# KiCad board LI_ION_charger_5Vout.kicad_pcb (continued)
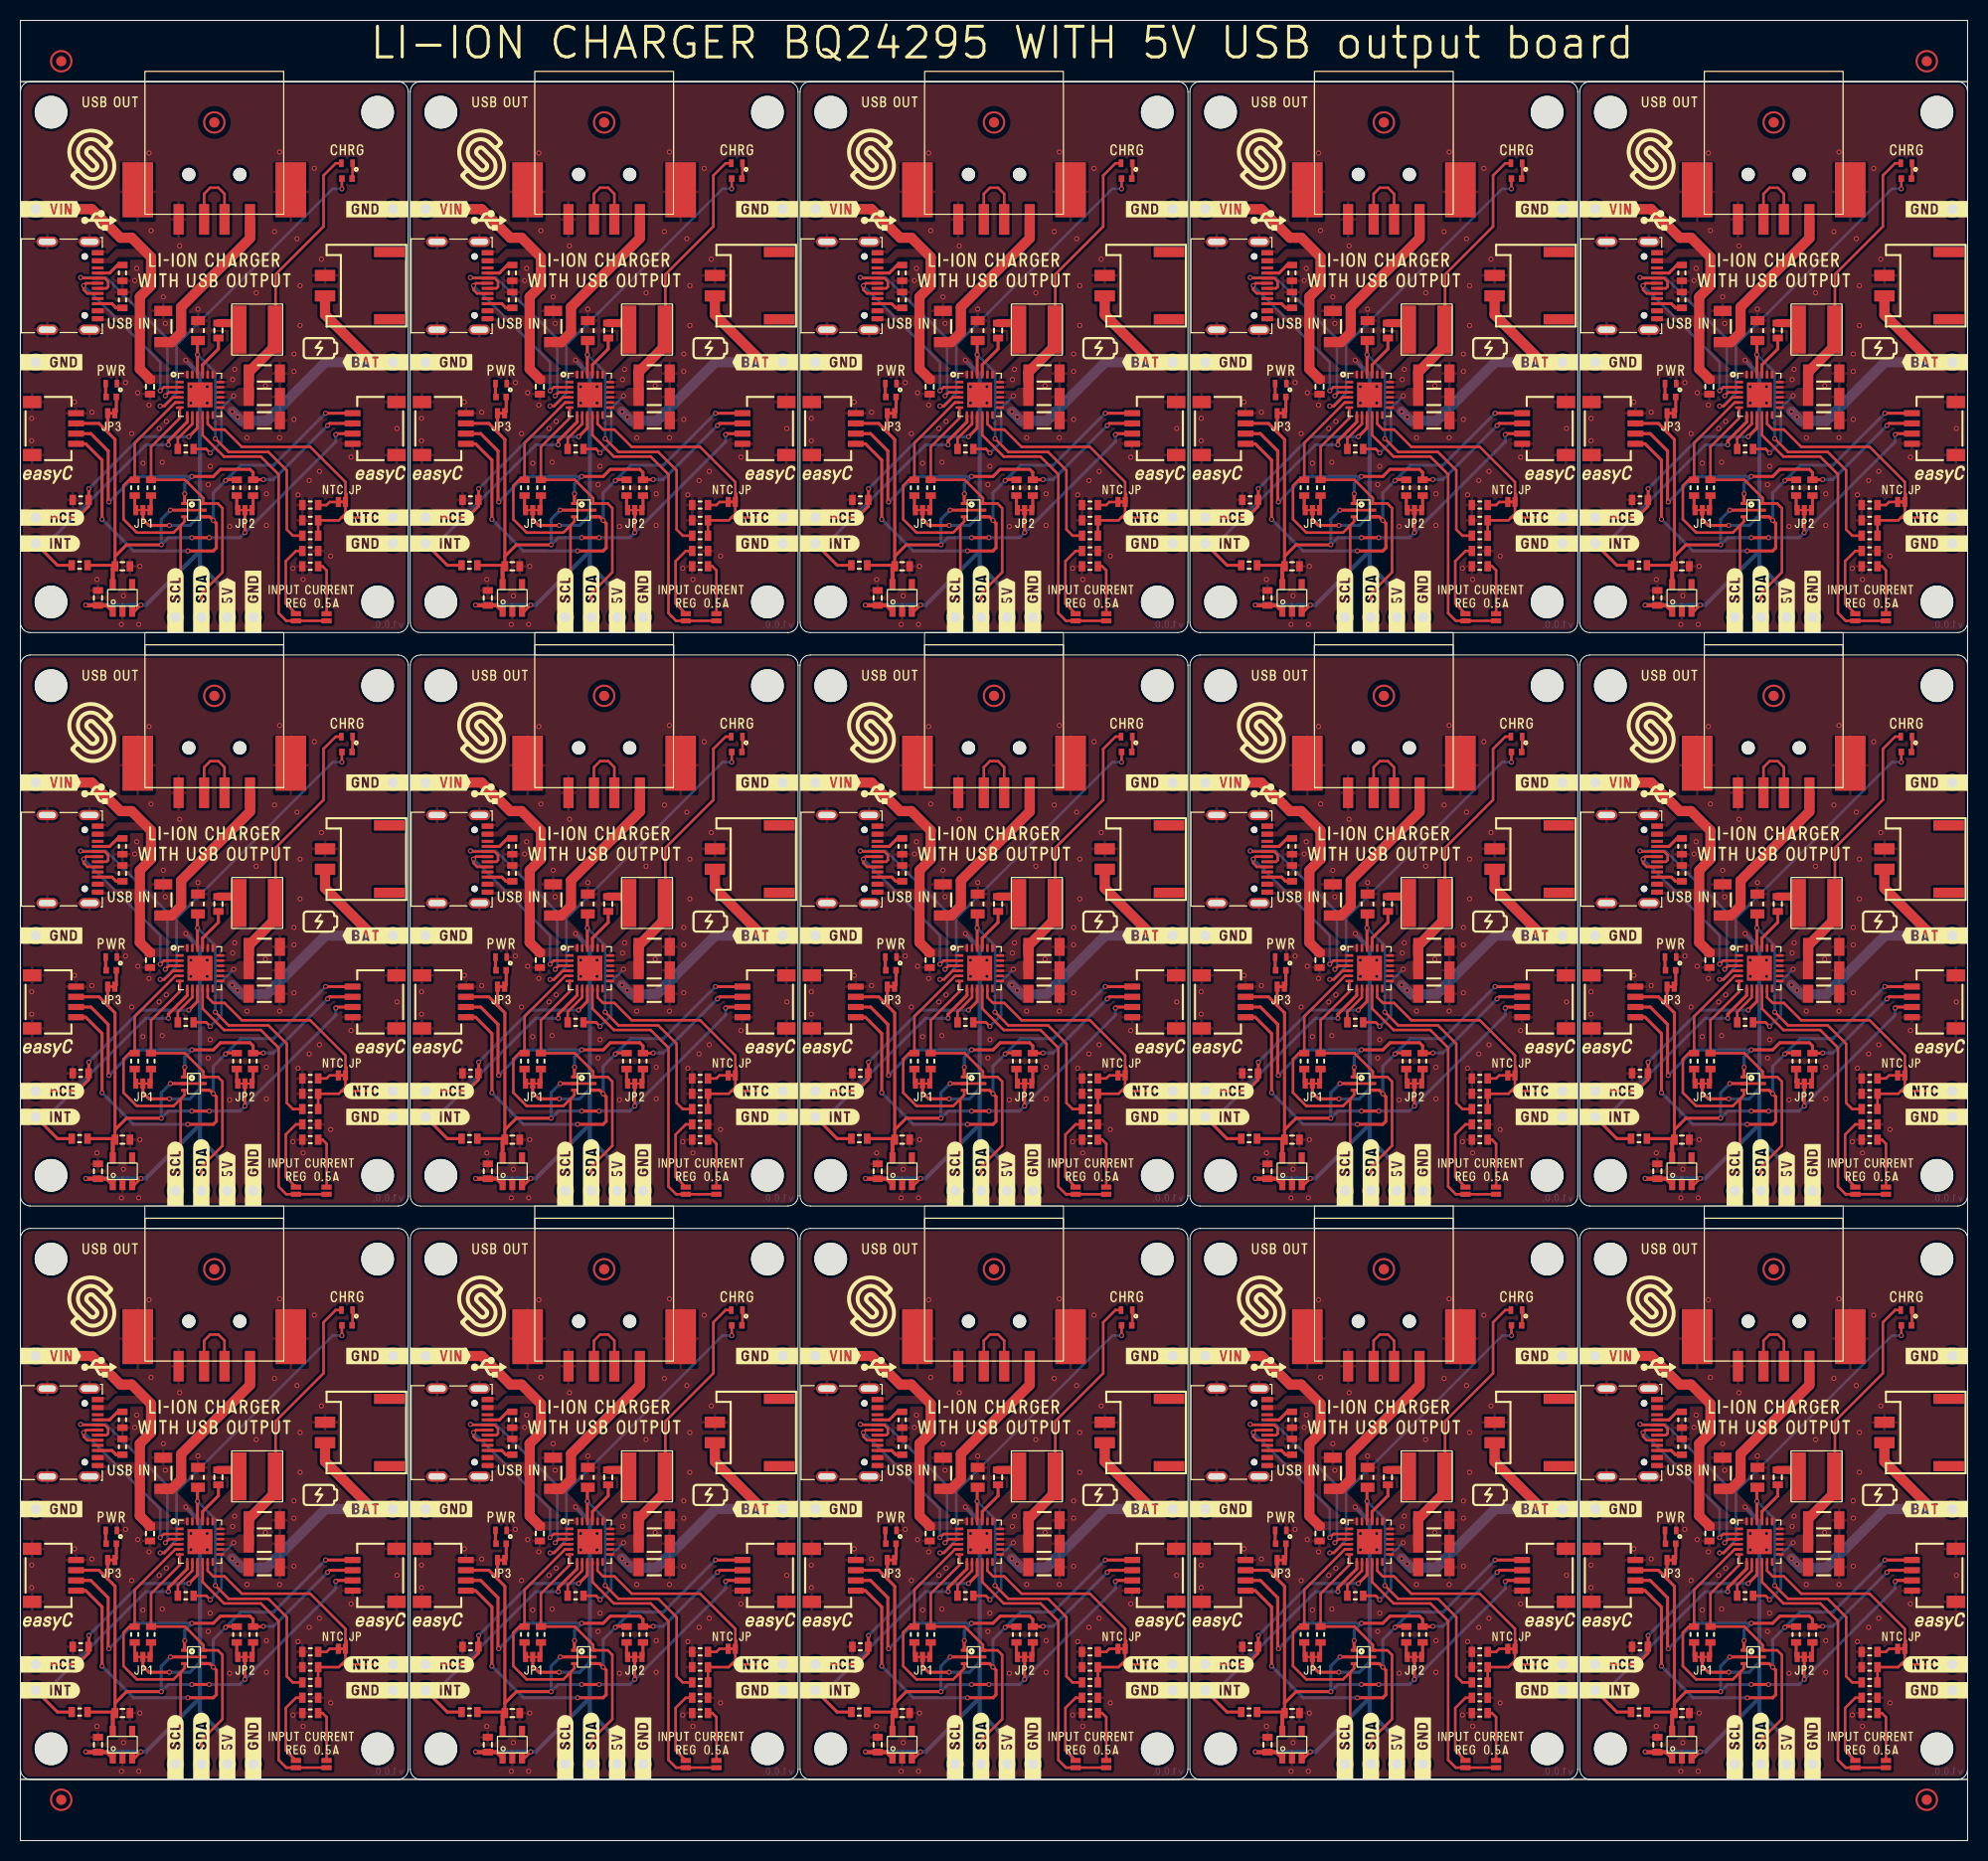
[diagram p0: board, top side]
## Routing (per net, layer and track width the routed paths; a pad name or vN(x,y) marks a point on that pad's centre or on a via; arc(x,y) is an arc through that point) (continued)
VCC: length 392.8
  Top w1: 88.1,35.8 88.1,38.9 89.2,40 89.2,42.8 87.3,44.7 86.2,44.7 83.4,47.5 K2#9.1 ; 88.1,35.8 88.1,35.9 ; 88.1,35.8 88.1,31.83 C1#5.2 ; 88.1,148.2 88.1,144.23 C1#14.2 ; 88.1,148.2 88.1,151.3 89.2,152.4 89.2,155.2 87.3,157.1 86.2,157.1 83.4,159.9 K2#7.1 ; 88.1,148.2 88.1,148.3 ; C1.2 49.9,144.23 49.9,148.2 ; 126.3,35.8 126.3,38.9 127.4,40 127.4,42.8 125.5,44.7 124.4,44.7 121.6,47.5 K2#13.1 ; 126.3,35.8 126.3,31.83 C1#3.2 ; 126.3,35.8 126.3,35.9 ; 49.9,92 49.9,92.1 ; 49.9,92 49.9,88.03 C1#7.2 ; 49.9,92 49.9,95.1 51,96.2 51,99 49.1,100.9 48,100.9 45.2,103.7 K2#3.1 ; 11.7,148.2 11.7,151.3 12.8,152.4 12.8,155.2 10.9,157.1 9.8,157.1 7,159.9 K2#12.1 ; 11.7,148.2 11.7,144.23 C1#13.2 ; 11.7,148.2 11.7,148.3 ; K2#8.1 7,103.7 9.8,100.9 10.9,100.9 12.8,99 12.8,96.2 11.7,95.1 11.7,92 ; 11.7,92 11.7,88.03 C1#10.2 ; 11.7,92 11.7,92.1 ; C1#8.2 164.5,88.03 164.5,92 ; 88.1,92 88.1,92.1 ; 88.1,92 88.1,95.1 89.2,96.2 89.2,99 87.3,100.9 86.2,100.9 83.4,103.7 K2.1 ; 88.1,92 88.1,88.03 C1#15.2 ; 164.5,148.2 164.5,151.3 165.6,152.4 165.6,155.2 163.7,157.1 162.6,157.1 159.8,159.9 K2#6.1 ; 164.5,148.2 164.5,148.3 ; 164.5,148.2 164.5,144.23 C1#11.2 ; 164.5,92 164.5,92.1 ; 164.5,92 164.5,95.1 165.6,96.2 165.6,99 163.7,100.9 162.6,100.9 159.8,103.7 K2#2.1 ; 126.3,92 126.3,92.1 ; 126.3,92 126.3,88.03 C1#4.2 ; 126.3,92 126.3,95.1 127.4,96.2 127.4,99 125.5,100.9 124.4,100.9 121.6,103.7 K2#10.1 ; 11.7,35.8 11.7,31.83 C1#9.2 ; 11.7,35.8 11.7,35.9 ; 11.7,35.8 11.7,38.9 12.8,40 12.8,42.8 10.9,44.7 9.8,44.7 7,47.5 K2#5.1 ; 126.3,148.2 126.3,144.23 C1#2.2 ; 126.3,148.2 126.3,151.3 127.4,152.4 127.4,155.2 125.5,157.1 124.4,157.1 121.6,159.9 K2#4.1 ; 126.3,148.2 126.3,148.3 ; 49.9,35.8 49.9,38.9 51,40 51,42.8 49.1,44.7 48,44.7 45.2,47.5 K2#11.1 ; 49.9,35.8 49.9,31.83 C1#6.2 ; 49.9,35.8 49.9,35.9 ; 49.9,148.2 49.9,151.3 51,152.4 51,155.2 49.1,157.1 48,157.1 45.2,159.9 K2#14.1 ; 49.9,148.2 49.9,148.3 ; 164.5,35.8 164.5,31.83 C1#12.2 ; 164.5,35.8 164.5,38.9 165.6,40 165.6,42.8 163.7,44.7 162.6,44.7 159.8,47.5 K2#15.1 ; 164.5,35.8 164.5,35.9
BAT: length 434
  Top w1: K8#15.1 187.3,32.5 182.65,37.15 K7#5.1 ; K7#4.1 106.25,37.15 110.9,32.5 K8#12.1 ; K8#5.1 34.5,144.9 29.85,149.55 K7#13.1 ; K7#14.1 29.85,93.35 34.5,88.7 K8.1 ; K7#15.1 144.45,37.15 149.1,32.5 K8#9.1 ; K8#2.1 187.3,144.9 182.65,149.55 K7#7.1 ; K8#8.1 72.7,32.5 68.05,37.15 K7#3.1 ; K8#4.1 110.9,88.7 106.25,93.35 K7#9.1 ; K7#10.1 106.25,149.55 110.9,144.9 K8#7.1 ; K8#13.1 72.7,88.7 68.05,93.35 K7.1 ; K7#6.1 29.85,37.15 34.5,32.5 K8#10.1 ; K8#14.1 149.1,144.9 144.45,149.55 K7#8.1 ; K7#12.1 182.65,93.35 187.3,88.7 K8#3.1 ; K7#11.1 68.05,149.55 72.7,144.9 K8#6.1 ; K7#2.1 144.45,93.35 149.1,88.7 K8#11.1
  Bottom w1: K8#12.1 106.3,32.5 100.55,26.75 98.05,26.75 v1(97.15,27.65) ; v1(58.95,140.05) 59.85,139.15 62.35,139.15 68.1,144.9 K8#6.1 ; K8#4.1 106.3,88.7 100.55,82.95 98.05,82.95 v1(97.15,83.85) ; v1(58.95,83.85) 59.85,82.95 62.35,82.95 68.1,88.7 K8#13.1 ; v1(20.75,140.05) 21.65,139.15 24.15,139.15 29.9,144.9 K8#5.1 ; v1(20.75,27.65) 21.65,26.75 24.15,26.75 29.9,32.5 K8#10.1 ; v1(135.35,83.85) 136.25,82.95 138.75,82.95 144.5,88.7 K8#11.1 ; K8#8.1 68.1,32.5 62.35,26.75 59.85,26.75 v1(58.95,27.65) ; v1(20.75,83.85) 21.65,82.95 24.15,82.95 29.9,88.7 K8.1 ; v1(173.55,27.65) 174.45,26.75 176.95,26.75 182.7,32.5 K8#15.1 ; v1(135.35,140.05) 136.25,139.15 138.75,139.15 144.5,144.9 K8#14.1 ; K8#3.1 182.7,88.7 176.95,82.95 174.45,82.95 v1(173.55,83.85) ; v1(135.35,27.65) 136.25,26.75 138.75,26.75 144.5,32.5 K8#9.1 ; v1(173.55,140.05) 174.45,139.15 176.95,139.15 182.7,144.9 K8#2.1 ; v1(97.15,140.05) 98.05,139.15 100.55,139.15 106.3,144.9 K8#7.1
  vias: v1(21.28,139.52) v1(21.28,83.32) v1(21.28,27.12) v1(59.47,139.52) v1(59.47,83.32) v1(59.47,27.12) v1(97.68,139.52) v1(97.68,83.32) v1(97.68,27.12) v1(135.88,139.52) v1(135.88,83.32) v1(135.88,27.12) v1(174.07,139.52) v1(174.07,83.32) v1(174.07,27.12)
BTST: length 63.4
  Top w0.3: C4#2.1 95.8,33.8 94.25,32.25 U2#6.21 ; U2#10.21 56.05,32.25 57.6,33.8 C4#7.1 ; U2#12.21 132.45,88.45 134,90 C4#13.1 ; C4#8.1 57.6,146.2 56.05,144.65 U2#14.21 ; U2#2.21 17.85,32.25 19.4,33.8 C4.1 ; C4#15.1 95.8,90 94.25,88.45 U2#8.21 ; U2#11.21 170.65,32.25 172.2,33.8 C4#11.1 ; U2#9.21 170.65,88.45 172.2,90 C4#10.1 ; U2#13.21 132.45,32.25 134,33.8 C4#4.1 ; C4#12.1 19.4,146.2 17.85,144.65 U2#5.21 ; U2#4.21 132.45,144.65 134,146.2 C4#5.1 ; U2.21 170.65,144.65 172.2,146.2 C4#3.1 ; C4#9.1 57.6,90 56.05,88.45 U2#3.21 ; C4#6.1 19.4,90 17.85,88.45 U2#15.21 ; C4#14.1 95.8,146.2 94.25,144.65 U2#7.21
D+: length 282.9
  Top w0.254: U2#14.2 52.25,142.45 v1(51.9,142.1) ; K4#13.A6 159.24,40.24 v1(159,40) 159,39.6 159.36,39.24 K4#13.B6 ; U2#3.2 52.25,86.25 v1(51.9,85.9) ; v1(166.5,85.9) 166.85,86.25 U2#9.2 ; 122.18,152.64 121.04,152.64 v1(120.8,152.4) 120.8,152 121.16,151.64 122.18,151.64 ; K4#14.A6 159.24,152.64 v1(159,152.4) 159,152 159.36,151.64 K4#14.B6 ; v1(128.3,85.9) 128.65,86.25 U2#12.2 ; v1(128.3,142.1) 128.65,142.45 U2#4.2 ; v1(90.1,142.1) 90.45,142.45 U2#7.2 ; U2#13.2 128.65,30.05 v1(128.3,29.7) ; K4#6.B6 82.96,39.24 82.6,39.6 v1(82.6,40) 82.84,40.24 K4#6.A6 ; 7.58,151.64 6.56,151.64 6.2,152 v1(6.2,152.4) 6.44,152.64 7.58,152.64 ; 122.18,96.44 121.04,96.44 v1(120.8,96.2) 120.8,95.8 121.16,95.44 122.18,95.44 ; 7.58,39.24 6.56,39.24 6.2,39.6 v1(6.2,40) 6.44,40.24 7.58,40.24 ; K4#10.A6 44.64,96.44 v1(44.4,96.2) 44.4,95.8 44.76,95.44 K4#10.B6 ; v1(90.1,29.7) 90.45,30.05 U2#6.2 ; U2#15.2 14.05,86.25 v1(13.7,85.9) ; 122.18,40.24 121.04,40.24 v1(120.8,40) 120.8,39.6 121.16,39.24 122.18,39.24 ; v1(13.7,29.7) 14.05,30.05 U2#2.2 ; K4#2.A6 82.84,96.44 v1(82.6,96.2) 82.6,95.8 82.96,95.44 K4#2.B6 ; U2#10.2 52.25,30.05 v1(51.9,29.7) ; v1(166.5,29.7) 166.85,30.05 U2#11.2 ; U2.2 166.85,142.45 v1(166.5,142.1) ; K4#8.B6 159.36,95.44 159,95.8 v1(159,96.2) 159.24,96.44 K4#8.A6 ; v1(13.7,142.1) 14.05,142.45 U2#5.2 ; K4#9.B6 82.96,151.64 82.6,152 v1(82.6,152.4) 82.84,152.64 K4#9.A6 ; K4#7.A6 44.64,40.24 v1(44.4,40) 44.4,39.6 44.76,39.24 K4#7.B6 ; 7.58,96.44 6.44,96.44 v1(6.2,96.2) 6.2,95.8 6.56,95.44 7.58,95.44 ; K4#15.A6 44.64,152.64 v1(44.4,152.4) 44.4,152 44.76,151.64 K4#15.B6 ; U2#8.2 90.45,86.25 v1(90.1,85.9)
  Bottom w0.254: v1(44.4,96.2) 51.9,88.7 v1(51.9,85.9) ; v1(51.9,142.1) 51.9,144.9 v1(44.4,152.4) ; v1(44.4,40) 51.9,32.5 v1(51.9,29.7) ; v1(6.2,40) 13.7,32.5 v1(13.7,29.7) ; v1(90.1,142.1) 90.1,144.9 v1(82.6,152.4) ; v1(13.7,85.9) 13.7,88.7 v1(6.2,96.2) ; v1(128.3,142.1) 128.3,144.9 v1(120.8,152.4) ; v1(82.6,40) 90.1,32.5 v1(90.1,29.7) ; v1(159,40) 166.5,32.5 v1(166.5,29.7) ; v1(128.3,29.7) 128.3,32.5 v1(120.8,40) ; v1(128.3,85.9) 128.3,88.7 v1(120.8,96.2) ; v1(159,152.4) 166.5,144.9 v1(166.5,142.1) ; v1(159,96.2) 166.5,88.7 v1(166.5,85.9) ; v1(82.6,96.2) 90.1,88.7 v1(90.1,85.9) ; v1(13.7,142.1) 13.7,144.9 v1(6.2,152.4)
D-: length 340.4
  Top w0.254: U2#10.3 52.75,29.55 v1(52.4,29.2) ; v1(82.3,40.8) 82.36,40.74 K4#6.B7 84.66,40.74 85,40.4 85,39.9 84.84,39.74 K4#6.A7 ; U2#13.3 129.15,29.55 v1(128.8,29.2) ; v1(167,29.2) 167.35,29.55 U2#11.3 ; v1(52.4,85.4) 52.75,85.75 U2#3.3 ; U2#2.3 14.55,29.55 v1(14.2,29.2) ; K4#15.A7 46.64,152.14 46.8,152.3 46.8,152.8 46.46,153.14 K4#15.B7 44.16,153.14 v1(44.1,153.2) ; v1(82.3,97) 82.36,96.94 K4#2.B7 84.66,96.94 85,96.6 85,96.1 84.84,95.94 K4#2.A7 ; K4#13.A7 161.24,39.74 161.4,39.9 161.4,40.4 161.06,40.74 K4#13.B7 158.76,40.74 v1(158.7,40.8) ; v1(167,85.4) 167.35,85.75 U2#9.3 ; U2#14.3 52.75,141.95 v1(52.4,141.6) ; v1(120.5,40.8) 120.56,40.74 122.86,40.74 123.2,40.4 123.2,39.9 123.04,39.74 122.18,39.74 ; U2#6.3 90.95,29.55 v1(90.6,29.2) ; U2#7.3 90.95,141.95 v1(90.6,141.6) ; U2#5.3 14.55,141.95 v1(14.2,141.6) ; v1(158.7,153.2) 158.76,153.14 K4#14.B7 161.06,153.14 161.4,152.8 161.4,152.3 161.24,152.14 K4#14.A7 ; 7.58,95.94 8.44,95.94 8.6,96.1 8.6,96.6 8.26,96.94 5.96,96.94 v1(5.9,97) ; K4#8.A7 161.24,95.94 161.4,96.1 161.4,96.6 161.06,96.94 K4#8.B7 158.76,96.94 v1(158.7,97) ; K4#10.A7 46.64,95.94 46.8,96.1 46.8,96.6 46.46,96.94 K4#10.B7 44.16,96.94 v1(44.1,97) ; v1(90.6,85.4) 90.95,85.75 U2#8.3 ; U2.3 167.35,141.95 v1(167,141.6) ; K4#7.A7 46.64,39.74 46.8,39.9 46.8,40.4 46.46,40.74 K4#7.B7 44.16,40.74 v1(44.1,40.8) ; v1(82.3,153.2) 82.36,153.14 K4#9.B7 84.66,153.14 85,152.8 85,152.3 84.84,152.14 K4#9.A7 ; 7.58,152.14 8.44,152.14 8.6,152.3 8.6,152.8 8.26,153.14 5.96,153.14 v1(5.9,153.2) ; U2#12.3 129.15,85.75 v1(128.8,85.4) ; 122.18,95.94 123.04,95.94 123.2,96.1 123.2,96.6 122.86,96.94 120.56,96.94 v1(120.5,97) ; U2#4.3 129.15,141.95 v1(128.8,141.6) ; v1(120.5,153.2) 120.56,153.14 122.86,153.14 123.2,152.8 123.2,152.3 123.04,152.14 122.18,152.14 ; 7.58,39.74 8.44,39.74 8.6,39.9 8.6,40.4 8.26,40.74 5.96,40.74 v1(5.9,40.8) ; U2#15.3 14.55,85.75 v1(14.2,85.4)
  Bottom w0.254: v1(128.8,85.4) 129.01,85.61 129.01,86.24 129,86.25 129,91 123,97 v1(120.5,97) ; v1(167,141.6) 167.21,141.81 167.21,142.44 167.2,142.45 167.2,147.2 161.2,153.2 v1(158.7,153.2) ; v1(52.4,85.4) 52.61,85.61 52.61,86.24 52.6,86.25 52.6,91 46.6,97 v1(44.1,97) ; v1(158.7,97) 161.2,97 167.2,91 167.2,86.25 167.21,86.24 167.21,85.61 v1(167,85.4) ; v1(90.6,29.2) 90.81,29.41 90.81,30.04 90.8,30.05 90.8,34.8 84.8,40.8 v1(82.3,40.8) ; v1(128.8,141.6) 129.01,141.81 129.01,142.44 129,142.45 129,147.2 123,153.2 v1(120.5,153.2) ; v1(5.9,40.8) 8.4,40.8 14.4,34.8 14.4,30.05 14.41,30.04 14.41,29.41 v1(14.2,29.2) ; v1(90.6,141.6) 90.81,141.81 90.81,142.44 90.8,142.45 90.8,147.2 84.8,153.2 v1(82.3,153.2) ; v1(167,29.2) 167.21,29.41 167.21,30.04 167.2,30.05 167.2,34.8 161.2,40.8 v1(158.7,40.8) ; v1(52.4,141.6) 52.61,141.81 52.61,142.44 52.6,142.45 52.6,147.2 46.6,153.2 v1(44.1,153.2) ; v1(128.8,29.2) 129.01,29.41 129.01,30.04 129,30.05 129,34.8 123,40.8 v1(120.5,40.8) ; v1(5.9,97) 8.4,97 14.4,91 14.4,86.25 14.41,86.24 14.41,85.61 v1(14.2,85.4) ; v1(44.1,40.8) 46.6,40.8 52.6,34.8 52.6,30.05 52.61,30.04 52.61,29.41 v1(52.4,29.2) ; v1(14.2,141.6) 14.41,141.81 14.41,142.44 14.4,142.45 14.4,147.2 8.4,153.2 v1(5.9,153.2) ; v1(82.3,97) 84.8,97 90.8,91 90.8,86.25 90.81,86.24 90.81,85.61 v1(90.6,85.4)
ILIM: length 444.3
  Top w0.254: U2#5.10 17.85,137.75 19.95,135.65 23.55,135.65 25.3,133.9 25.3,120.3 26.05,119.55 JP4#4.2 JP5#3.2 ; U2#11.10 170.65,25.35 172.75,23.25 176.35,23.25 178.1,21.5 178.1,7.9 178.85,7.15 JP4#14.2 JP5#6.2 ; JP5#13.2 JP4.2 102.45,119.55 101.7,120.3 101.7,133.9 99.95,135.65 96.35,135.65 94.25,137.75 U2#7.10 ; JP5#11.2 JP4#10.2 64.25,63.35 63.5,64.1 63.5,77.7 61.75,79.45 58.15,79.45 56.05,81.55 U2#3.10 ; U2#6.10 94.25,25.35 96.35,23.25 99.95,23.25 101.7,21.5 101.7,7.9 102.45,7.15 JP4#7.2 JP5#8.2 ; U2.10 170.65,137.75 172.75,135.65 176.35,135.65 178.1,133.9 178.1,120.3 178.85,119.55 JP4#12.2 JP5#14.2 ; U2#15.10 17.85,81.55 19.95,79.45 23.55,79.45 25.3,77.7 25.3,64.1 26.05,63.35 JP4#11.2 JP5#12.2 ; JP5#7.2 JP4#2.2 64.25,119.55 63.5,120.3 63.5,133.9 61.75,135.65 58.15,135.65 56.05,137.75 U2#14.10 ; U2#9.10 170.65,81.55 172.75,79.45 176.35,79.45 178.1,77.7 178.1,64.1 178.85,63.35 JP4#9.2 JP5#9.2 ; JP5#2.2 JP4#8.2 140.65,119.55 139.9,120.3 139.9,133.9 138.15,135.65 134.55,135.65 132.45,137.75 U2#4.10 ; U2#12.10 132.45,81.55 134.55,79.45 138.15,79.45 139.9,77.7 139.9,64.1 140.65,63.35 JP4#5.2 JP5#15.2 ; JP5.2 JP4#3.2 140.65,7.15 139.9,7.9 139.9,21.5 138.15,23.25 134.55,23.25 132.45,25.35 U2#13.10 ; U2#8.10 94.25,81.55 96.35,79.45 99.95,79.45 101.7,77.7 101.7,64.1 102.45,63.35 JP4#13.2 JP5#10.2 ; U2#2.10 17.85,25.35 19.95,23.25 23.55,23.25 25.3,21.5 25.3,7.9 26.05,7.15 JP4#15.2 JP5#4.2 ; U2#10.10 56.05,25.35 58.15,23.25 61.75,23.25 63.5,21.5 63.5,7.9 64.25,7.15 JP4#6.2 JP5#5.2
INT: length 376.4
  Top w0.3: v1(167.3,80.6) 167.3,81 169.15,82.85 U2#9.7 ; K10#9.2 3.63,12.6 R9#7.2 ; U2#12.7 130.95,82.85 129.1,81 v1(129.1,80.6) ; R9#11.2 41.83,125 K10#14.2 ; U2#2.7 16.35,26.65 14.5,24.8 v1(14.5,24.4) ; K10#12.2 3.63,125 R9#13.2 ; R9#10.2 41.83,12.6 K10#8.2 ; U2#7.7 92.75,139.05 90.9,137.2 v1(90.9,136.8) ; K10#6.2 156.43,12.6 R9#15.2 ; v1(167.3,24.4) 167.3,24.8 169.15,26.65 U2#11.7 ; R9#12.2 118.23,125 K10#15.2 ; K10#13.2 118.23,12.6 R9#2.2 ; R9#5.2 156.43,68.8 K10#7.2 ; v1(52.7,136.8) 52.7,137.2 54.55,139.05 U2#14.7 ; v1(52.7,80.6) 52.7,81 54.55,82.85 U2#3.7 ; K10#11.2 80.03,68.8 R9.2 ; R9#4.2 41.83,68.8 K10#4.2 ; v1(14.5,80.6) 14.5,81 16.35,82.85 U2#15.7 ; U2#4.7 130.95,139.05 129.1,137.2 v1(129.1,136.8) ; R9#3.2 3.63,68.8 K10.2 ; v1(90.9,24.4) 90.9,24.8 92.75,26.65 U2#6.7 ; U2#5.7 16.35,139.05 14.5,137.2 v1(14.5,136.8) ; R9#14.2 80.03,12.6 K10#2.2 ; v1(129.1,24.4) 129.1,24.8 130.95,26.65 U2#13.7 ; R9#8.2 156.43,125 K10#10.2 ; v1(90.9,80.6) 90.9,81 92.75,82.85 U2#8.7 ; v1(52.7,24.4) 52.7,24.8 54.55,26.65 U2#10.7 ; K10#3.2 80.03,125 R9#6.2 ; R9#9.2 118.23,68.8 K10#5.2 ; U2.7 169.15,139.05 167.3,137.2 v1(167.3,136.8)
  Bottom w0.3: v1(52.7,80.6) 50.5,80.6 40.83,70.93 K10#4.2 ; K10#8.2 40.83,14.73 50.5,24.4 v1(52.7,24.4) ; K10#14.2 40.83,127.13 50.5,136.8 v1(52.7,136.8) ; v1(129.1,80.6) 126.9,80.6 117.23,70.93 K10#5.2 ; K10#15.2 117.23,127.13 126.9,136.8 v1(129.1,136.8) ; v1(167.3,136.8) 165.1,136.8 155.43,127.13 K10#10.2 ; v1(14.5,136.8) 12.3,136.8 2.63,127.13 K10#12.2 ; v1(167.3,24.4) 165.1,24.4 155.43,14.73 K10#6.2 ; v1(14.5,24.4) 12.3,24.4 2.63,14.73 K10#9.2 ; K10#13.2 117.23,14.73 126.9,24.4 v1(129.1,24.4) ; K10#7.2 155.43,70.93 165.1,80.6 v1(167.3,80.6) ; K10#11.2 79.03,70.93 88.7,80.6 v1(90.9,80.6) ; K10.2 2.63,70.93 12.3,80.6 v1(14.5,80.6) ; K10#3.2 79.03,127.13 88.7,136.8 v1(90.9,136.8) ; K10#2.2 79.03,14.73 88.7,24.4 v1(90.9,24.4)
nCE: length 326.2
  Top w0.3: U2#7.9 93.75,138.45 v1(92.9,137.6) ; v1(92.9,25.2) 93.75,26.05 U2#6.9 ; U2#15.9 17.35,82.25 v1(16.5,81.4) ; v1(169.3,25.2) 170.15,26.05 U2#11.9 ; v1(159.5,132.5) 159.5,131.42 R8#12.1 159.47,130.77 158.37,129.67 K10#10.1 ; v1(16.5,137.6) 17.35,138.45 U2#5.9 ; U2#13.9 131.95,26.05 v1(131.1,25.2) ; U2.9 170.15,138.45 v1(169.3,137.6) ; K10#14.1 43.77,129.67 44.88,130.77 R8#14.1 44.9,131.42 v1(44.9,132.5) ; K10#15.1 120.17,129.67 121.28,130.77 R8#4.1 121.3,131.42 v1(121.3,132.5) ; U2#2.9 17.35,26.05 v1(16.5,25.2) ; K10#4.1 43.77,73.47 44.88,74.57 R8#11.1 44.9,75.22 v1(44.9,76.3) ; v1(54.7,137.6) 55.55,138.45 U2#14.9 ; v1(159.5,20.1) 159.5,19.02 R8#13.1 159.47,18.37 158.37,17.27 K10#6.1 ; v1(131.1,81.4) 131.95,82.25 U2#12.9 ; v1(121.3,76.3) 121.3,75.22 R8#10.1 121.28,74.57 120.17,73.47 K10#5.1 ; K10#8.1 43.77,17.27 44.88,18.37 R8#5.1 44.9,19.02 v1(44.9,20.1) ; v1(6.7,20.1) 6.7,19.02 R8#9.1 6.67,18.37 5.57,17.27 K10#9.1 ; v1(54.7,81.4) 55.55,82.25 U2#3.9 ; v1(169.3,81.4) 170.15,82.25 U2#9.9 ; v1(83.1,132.5) 83.1,131.42 R8#8.1 83.07,130.77 81.97,129.67 K10#3.1 ; U2#10.9 55.55,26.05 v1(54.7,25.2) ; K10#11.1 81.97,73.47 83.07,74.57 R8#7.1 83.1,75.22 v1(83.1,76.3) ; K10#7.1 158.37,73.47 159.47,74.57 R8#3.1 159.5,75.22 v1(159.5,76.3) ; U2#8.9 93.75,82.25 v1(92.9,81.4) ; K10#12.1 5.57,129.67 6.67,130.77 R8.1 6.7,131.42 v1(6.7,132.5) ; K10.1 5.57,73.47 6.67,74.57 R8#15.1 6.7,75.22 v1(6.7,76.3) ; v1(131.1,137.6) 131.95,138.45 U2#4.9 ; K10#2.1 81.97,17.27 83.07,18.37 R8#6.1 83.1,19.02 v1(83.1,20.1) ; v1(121.3,20.1) 121.3,19.02 R8#2.1 121.28,18.37 120.17,17.27 K10#13.1
  Bottom w0.3: v1(92.9,81.4) 88.2,81.4 v1(83.1,76.3) ; v1(44.9,132.5) 50,137.6 v1(54.7,137.6) ; v1(121.3,20.1) 126.4,25.2 v1(131.1,25.2) ; v1(121.3,76.3) 126.4,81.4 v1(131.1,81.4) ; v1(92.9,137.6) 88.2,137.6 v1(83.1,132.5) ; v1(159.5,76.3) 164.6,81.4 v1(169.3,81.4) ; v1(16.5,137.6) 11.8,137.6 v1(6.7,132.5) ; v1(6.7,76.3) 11.8,81.4 v1(16.5,81.4) ; v1(169.3,25.2) 164.6,25.2 v1(159.5,20.1) ; v1(16.5,25.2) 11.8,25.2 v1(6.7,20.1) ; v1(159.5,132.5) 164.6,137.6 v1(169.3,137.6) ; v1(92.9,25.2) 88.2,25.2 v1(83.1,20.1) ; v1(131.1,137.6) 126.4,137.6 v1(121.3,132.5) ; v1(44.9,76.3) 50,81.4 v1(54.7,81.4) ; v1(44.9,20.1) 50,25.2 v1(54.7,25.2)
OTG: length 58.5
  Top w0.254: U2.8 169.65,138.85 168.23,137.42 R10#14.2 ; R10#12.2 130.03,25.02 131.45,26.45 U2#13.8 ; U2#3.8 55.05,82.65 53.62,81.22 R10#2.2 ; R10#15.2 168.23,25.02 169.65,26.45 U2#11.8 ; R10#8.2 15.42,137.42 16.85,138.85 U2#5.8 ; U2#14.8 55.05,138.85 53.62,137.42 R10.2 ; U2#2.8 16.85,26.45 15.42,25.02 R10#7.2 ; R10#13.2 130.03,81.22 131.45,82.65 U2#12.8 ; U2#7.8 93.25,138.85 91.82,137.42 R10#3.2 ; R10#9.2 91.82,81.22 93.25,82.65 U2#8.8 ; U2#4.8 131.45,138.85 130.03,137.42 R10#4.2 ; U2#15.8 16.85,82.65 15.42,81.22 R10#5.2 ; R10#11.2 91.82,25.02 93.25,26.45 U2#6.8 ; R10#10.2 53.62,25.02 55.05,26.45 U2#10.8 ; R10#6.2 168.23,81.22 169.65,82.65 U2#9.8
PMID: length 1012.1
  Top w0.254: U3#4.3 125.8,120.5 v1(126.4,121.1) ; v1(11.8,64.9) 11.2,64.3 U3#14.3 ; v1(126.4,8.7) 125.8,8.1 U3#12.3 ; U3#13.3 87.6,64.3 v1(88.2,64.9) ; U3#9.3 87.6,8.1 v1(88.2,8.7) ; U3#2.3 49.4,120.5 v1(50,121.1) ; U3#7.3 11.2,8.1 v1(11.8,8.7) ; v1(126.4,64.9) 125.8,64.3 U3#3.3 ; v1(11.8,121.1) 11.2,120.5 U3.3 ; U3#11.3 164,120.5 v1(164.6,121.1) ; v1(164.6,64.9) 164,64.3 U3#6.3 ; v1(164.6,8.7) 164,8.1 U3#5.3 ; v1(88.2,121.1) 87.6,120.5 U3#8.3 ; v1(50,64.9) 49.4,64.3 U3#10.3 ; v1(50,8.7) 49.4,8.1 U3#15.3
  Top w0.3: v1(52.8,128.9) 50.8,128.9 50.2,129.5 JP1#2.2 ; JP1#15.2 88.4,17.1 89,16.5 v1(91,16.5) ; JP1#10.2 88.4,129.5 89,128.9 v1(91,128.9) ; JP1.2 126.6,129.5 127.2,128.9 v1(129.2,128.9) ; v1(167.4,16.5) 165.4,16.5 164.8,17.1 JP1#4.2 ; v1(14.6,128.9) 12.6,128.9 12,129.5 JP1#3.2 ; v1(167.4,128.9) 165.4,128.9 164.8,129.5 JP1#7.2 ; JP1#5.2 50.2,17.1 50.8,16.5 v1(52.8,16.5) ; JP1#8.2 126.6,73.3 127.2,72.7 v1(129.2,72.7) ; JP1#9.2 164.8,73.3 165.4,72.7 v1(167.4,72.7) ; v1(129.2,16.5) 127.2,16.5 126.6,17.1 JP1#6.2 ; JP1#12.2 88.4,73.3 89,72.7 v1(91,72.7) ; JP1#11.2 50.2,73.3 50.8,72.7 v1(52.8,72.7) ; JP1#14.2 12,73.3 12.6,72.7 v1(14.6,72.7) ; JP1#13.2 12,17.1 12.6,16.5 v1(14.6,16.5)
  Top w0.4: U3#10.1 46.68,64.87 C8#8.2 44.63,64.87 v1(44.6,64.9) ; v1(82.8,64.9) 82.83,64.87 C8#3.2 84.88,64.87 U3#13.1 ; U3#3.1 123.08,64.87 C8#2.2 121.03,64.87 v1(121,64.9) ; v1(159.2,121.1) 159.23,121.07 C8#12.2 161.28,121.07 U3#11.1 ; v1(82.8,121.1) 82.83,121.07 C8#4.2 84.88,121.07 U3#8.1 ; v1(121,121.1) 121.03,121.07 C8#7.2 123.08,121.07 U3#4.1 ; U3#6.1 161.28,64.87 C8#6.2 159.23,64.87 v1(159.2,64.9) ; v1(159.2,8.7) 159.23,8.67 C8#11.2 161.28,8.67 U3#5.1 ; v1(82.8,8.7) 82.83,8.67 C8.2 84.88,8.67 U3#9.1 ; U3#2.1 46.68,121.07 C8#15.2 44.63,121.07 v1(44.6,121.1) ; U3#12.1 123.08,8.67 C8#13.2 121.03,8.67 v1(121,8.7) ; v1(6.4,64.9) 6.43,64.87 C8#9.2 8.48,64.87 U3#14.1 ; U3#7.1 8.48,8.67 C8#10.2 6.43,8.67 v1(6.4,8.7) ; U3.1 8.48,121.07 C8#14.2 6.43,121.07 v1(6.4,121.1) ; v1(44.6,8.7) 44.63,8.67 C8#5.2 46.68,8.67 U3#15.1
  Top w1: C2#3.2 167.62,90.67 168.55,91.6 168.55,94.1 175.3,100.85 K12#10.1 ; K12#15.1 60.7,100.85 53.95,94.1 53.95,91.6 53.03,90.67 C2#8.2 ; K12#4.1 137.1,100.85 130.35,94.1 130.35,91.6 129.43,90.67 C2#13.2 ; C2#12.2 129.43,34.47 130.35,35.4 130.35,37.9 137.1,44.65 K12#8.1 ; K12#11.1 98.9,100.85 92.15,94.1 92.15,91.6 91.22,90.67 C2#9.2 ; K12#13.1 98.9,157.05 92.15,150.3 92.15,147.8 91.22,146.87 C2#7.2 ; C2#4.2 53.03,146.87 53.95,147.8 53.95,150.3 60.7,157.05 K12#12.1 ; K12#9.1 22.5,157.05 15.75,150.3 15.75,147.8 14.83,146.87 C2#14.2 ; C2#2.2 91.22,34.47 92.15,35.4 92.15,37.9 98.9,44.65 K12#7.1 ; C2.2 53.03,34.47 53.95,35.4 53.95,37.9 60.7,44.65 K12#5.1 ; K12.1 22.5,44.65 15.75,37.9 15.75,35.4 14.83,34.47 C2#5.2 ; K12#14.1 175.3,44.65 168.55,37.9 168.55,35.4 167.62,34.47 C2#10.2 ; C2#15.2 14.83,90.67 15.75,91.6 15.75,94.1 22.5,100.85 K12#6.1 ; K12#3.1 137.1,157.05 130.35,150.3 130.35,147.8 129.43,146.87 C2#11.2 ; C2#6.2 167.62,146.87 168.55,147.8 168.55,150.3 175.3,157.05 K12#2.1
  Bottom w0.3: v1(167.4,128.9) 169.4,128.9 170.4,129.9 ; 94,73.7 93,72.7 v1(91,72.7) ; 132.2,129.9 131.2,128.9 v1(129.2,128.9) ; v1(52.8,72.7) 54.8,72.7 55.8,73.7 ; v1(129.2,72.7) 131.2,72.7 132.2,73.7 ; v1(167.4,16.5) 169.4,16.5 170.4,17.5 ; 94,129.9 93,128.9 v1(91,128.9) ; v1(14.6,128.9) 16.6,128.9 17.6,129.9 ; 17.6,73.7 16.6,72.7 v1(14.6,72.7) ; v1(14.6,16.5) 16.6,16.5 17.6,17.5 ; 94,17.5 93,16.5 v1(91,16.5) ; v1(129.2,16.5) 131.2,16.5 132.2,17.5 ; 55.8,17.5 54.8,16.5 v1(52.8,16.5) ; v1(167.4,72.7) 169.4,72.7 170.4,73.7 ; v1(52.8,128.9) 54.8,128.9 55.8,129.9
  Bottom w0.4: v1(121,121.1) v1(126.4,121.1) 126.9,121.1 132.2,126.4 ; 17.6,126.4 12.3,121.1 v1(11.8,121.1) v1(6.4,121.1) ; 17.6,126.4 17.6,143.7 v1(16.2,145.1) ; 17.6,126.4 17.6,125 20.27,122.33 K6#2.2 ; K6#4.2 173.07,9.93 170.4,12.6 170.4,14 ; 170.4,126.4 170.4,125 173.07,122.33 K6#6.2 ; 170.4,126.4 170.4,143.7 v1(169,145.1) ; 170.4,126.4 165.1,121.1 v1(164.6,121.1) v1(159.2,121.1) ; 132.2,70.2 132.2,87.5 v1(130.8,88.9) ; 132.2,70.2 132.2,68.8 134.87,66.13 K6#11.2 ; 132.2,70.2 126.9,64.9 v1(126.4,64.9) v1(121,64.9) ; K6#8.2 96.67,9.93 94,12.6 94,14 ; v1(54.4,88.9) 55.8,87.5 55.8,70.2 ; 170.4,14 165.1,8.7 v1(164.6,8.7) v1(159.2,8.7) ; 170.4,14 170.4,31.3 v1(169,32.7) ; 170.4,70.2 170.4,87.5 v1(169,88.9) ; 170.4,70.2 165.1,64.9 v1(164.6,64.9) v1(159.2,64.9) ; 170.4,70.2 170.4,68.8 173.07,66.13 K6#3.2 ; 94,126.4 94,125 96.67,122.33 K6#14.2 ; 94,126.4 88.7,121.1 v1(88.2,121.1) v1(82.8,121.1) ; 94,126.4 94,143.7 v1(92.6,145.1) ; K6#5.2 58.47,122.33 55.8,125 55.8,126.4 ; 17.6,70.2 17.6,87.5 v1(16.2,88.9) ; 17.6,70.2 12.3,64.9 v1(11.8,64.9) v1(6.4,64.9) ; 17.6,70.2 17.6,68.8 20.27,66.13 K6#15.2 ; K6#12.2 58.47,9.93 55.8,12.6 55.8,14 ; 132.2,14 126.9,8.7 v1(126.4,8.7) v1(121,8.7) ; 132.2,14 132.2,12.6 134.87,9.93 K6#9.2 ; 132.2,14 132.2,31.3 v1(130.8,32.7) ; v1(44.6,121.1) v1(50,121.1) 50.5,121.1 55.8,126.4 ; v1(16.2,32.7) 17.6,31.3 17.6,14 ; v1(54.4,32.7) 55.8,31.3 55.8,14 ; 55.8,70.2 55.8,68.8 58.47,66.13 K6#7.2 ; 55.8,70.2 50.5,64.9 v1(50,64.9) v1(44.6,64.9) ; K6#10.2 134.87,122.33 132.2,125 132.2,126.4 ; v1(54.4,145.1) 55.8,143.7 55.8,126.4 ; 17.6,14 12.3,8.7 v1(11.8,8.7) v1(6.4,8.7) ; 17.6,14 17.6,12.6 20.27,9.93 K6.2 ; v1(130.8,145.1) 132.2,143.7 132.2,126.4 ; K6#13.2 96.67,66.13 94,68.8 94,70.2 ; v1(82.8,64.9) v1(88.2,64.9) 88.7,64.9 94,70.2 ; 94,70.2 94,87.5 v1(92.6,88.9) ; 94,14 94,31.3 v1(92.6,32.7) ; 94,14 88.7,8.7 v1(88.2,8.7) v1(82.8,8.7) ; v1(44.6,8.7) v1(50,8.7) 50.5,8.7 55.8,14
REGN: length 422.9
  Top w0.254: R1#7.1 179.5,71.7 178.9,72.3 178.9,78.1 177.1,79.9 173.2,79.9 v1(171.9,81.2) ; v1(19.1,81.2) 20.4,79.9 24.3,79.9 26.1,78.1 26.1,72.3 26.7,71.7 R1#3.1 ; v1(133.7,81.2) 135,79.9 138.9,79.9 140.7,78.1 140.7,72.3 141.3,71.7 R1#11.1 ; v1(19.1,25) 20.4,23.7 24.3,23.7 26.1,21.9 26.1,16.1 26.7,15.5 R1#12.1 ; R1#13.1 179.5,15.5 178.9,16.1 178.9,21.9 177.1,23.7 173.2,23.7 v1(171.9,25) ; v1(57.3,25) 58.6,23.7 62.5,23.7 64.3,21.9 64.3,16.1 64.9,15.5 R1#4.1 ; v1(95.5,81.2) 96.8,79.9 100.7,79.9 102.5,78.1 102.5,72.3 103.1,71.7 R1.1 ; v1(95.5,137.4) 96.8,136.1 100.7,136.1 102.5,134.3 102.5,128.5 103.1,127.9 R1#5.1 ; v1(171.9,137.4) 173.2,136.1 177.1,136.1 178.9,134.3 178.9,128.5 179.5,127.9 R1#9.1 ; v1(57.3,81.2) 58.6,79.9 62.5,79.9 64.3,78.1 64.3,72.3 64.9,71.7 R1#6.1 ; v1(95.5,25) 96.8,23.7 100.7,23.7 102.5,21.9 102.5,16.1 103.1,15.5 R1#2.1 ; v1(57.3,137.4) 58.6,136.1 62.5,136.1 64.3,134.3 64.3,128.5 64.9,127.9 R1#10.1 ; v1(133.7,25) 135,23.7 138.9,23.7 140.7,21.9 140.7,16.1 141.3,15.5 R1#14.1 ; R1#15.1 26.7,127.9 26.1,128.5 26.1,134.3 24.3,136.1 20.4,136.1 v1(19.1,137.4) ; v1(133.7,137.4) 135,136.1 138.9,136.1 140.7,134.3 140.7,128.5 141.3,127.9 R1#8.1
  Top w0.3: 131.9,34.62 131.95,34.57 v1(131.95,33.25) U2#13.22 ; 55.5,90.82 55.55,90.77 v1(55.55,89.45) U2#3.22 ; 93.7,34.62 93.75,34.57 v1(93.75,33.25) U2#6.22 ; U2#7.22 v1(93.75,145.65) 93.75,146.97 93.7,147.02 ; 55.5,34.62 55.55,34.57 v1(55.55,33.25) U2#10.22 ; U2#11.22 v1(170.15,33.25) 170.15,34.57 170.1,34.62 ; 170.1,90.82 170.15,90.77 v1(170.15,89.45) U2#9.22 ; 55.5,147.02 55.55,146.97 v1(55.55,145.65) U2#14.22 ; U2#15.22 v1(17.35,89.45) 17.35,90.77 17.3,90.82 ; 17.3,34.62 17.35,34.57 v1(17.35,33.25) U2#2.22 ; 131.9,90.82 131.95,90.77 v1(131.95,89.45) U2#12.22 ; U2.22 v1(170.15,145.65) 170.15,146.97 170.1,147.02 ; 17.3,147.02 17.35,146.97 v1(17.35,145.65) U2#5.22 ; U2#8.22 v1(93.75,89.45) 93.75,90.77 93.7,90.82 ; 131.9,147.02 131.95,146.97 v1(131.95,145.65) U2#4.22
  Bottom w0.254: v1(133.7,137.4) 133.7,143.9 v1(131.95,145.65) ; v1(17.35,33.25) 19.1,31.5 v1(19.1,25) ; v1(55.55,145.65) 57.3,143.9 v1(57.3,137.4) ; v1(131.95,33.25) 133.7,31.5 v1(133.7,25) ; v1(95.5,137.4) 95.5,143.9 v1(93.75,145.65) ; v1(93.75,89.45) 95.5,87.7 v1(95.5,81.2) ; v1(131.95,89.45) 133.7,87.7 v1(133.7,81.2) ; v1(171.9,137.4) 171.9,143.9 v1(170.15,145.65) ; v1(170.15,33.25) 171.9,31.5 v1(171.9,25) ; v1(171.9,81.2) 171.9,87.7 v1(170.15,89.45) ; v1(55.55,89.45) 57.3,87.7 v1(57.3,81.2) ; v1(95.5,25) 95.5,31.5 v1(93.75,33.25) ; v1(19.1,81.2) 19.1,87.7 v1(17.35,89.45) ; v1(17.35,145.65) 19.1,143.9 v1(19.1,137.4) ; v1(55.55,33.25) 57.3,31.5 v1(57.3,25)
SCL3,3: length 699
  Top w0.3: K11#14.1 121,24.5 122.6,22.9 v1(122.6,17.1) ; v1(182.7,27.5) 185.65,27.5 ; v1(131,70.2) 133.5,70.2 133.8,70.5 133.8,72.9 v1(133.5,73.2) 133.15,73.55 U1#11.4 ; v1(92.8,126.4) 95.3,126.4 95.6,126.7 95.6,129.1 v1(95.3,129.4) 94.95,129.75 U1#6.4 ; K11#6.1 6.4,24.5 8,22.9 v1(8,17.1) ; v1(169.2,126.4) 171.7,126.4 172,126.7 172,129.1 v1(171.7,129.4) 171.35,129.75 U1#9.4 ; R7.1 173.98,133.4 173,133.4 v1(172.9,133.3) ; v1(134.7,77.1) 134.8,77.2 135.78,77.2 R7#15.1 ; v1(46.2,73.3) 46.2,79.1 44.6,80.7 K11.1 ; v1(46.2,17.1) 46.2,22.9 44.6,24.5 K11#12.1 ; R7#9.1 59.38,21 58.4,21 v1(58.3,20.9) ; K11#9.1 121,80.7 122.6,79.1 v1(122.6,73.3) ; v1(106.3,139.9) 109.25,139.9 ; U1#15.4 56.75,17.35 v1(57.1,17) 57.4,16.7 57.4,14.3 57.1,14 v1(54.6,14) ; U1#7.4 18.55,73.55 v1(18.9,73.2) 19.2,72.9 19.2,70.5 18.9,70.2 v1(16.4,70.2) ; v1(134.7,20.9) 134.8,21 135.78,21 R7#4.1 ; K11#10.1 82.8,136.9 84.4,135.3 v1(84.4,129.5) ; v1(172.9,77.1) 173,77.2 173.98,77.2 R7#10.1 ; U1#3.4 171.35,73.55 v1(171.7,73.2) 172,72.9 172,70.5 171.7,70.2 v1(169.2,70.2) ; v1(134.7,133.3) 134.8,133.4 135.78,133.4 R7#12.1 ; R7#2.1 21.17,133.4 20.2,133.4 v1(20.1,133.3) ; U1#10.4 56.75,129.75 v1(57.1,129.4) 57.4,129.1 57.4,126.7 57.1,126.4 v1(54.6,126.4) ; R7#5.1 97.57,133.4 96.6,133.4 v1(96.5,133.3) ; K11#11.1 44.6,136.9 46.2,135.3 v1(46.2,129.5) ; U1#2.4 18.55,17.35 v1(18.9,17) 19.2,16.7 19.2,14.3 18.9,14 v1(16.4,14) ; v1(92.8,14) 95.3,14 95.6,14.3 95.6,16.7 v1(95.3,17) 94.95,17.35 U1#14.4 ; v1(84.4,17.1) 84.4,22.9 82.8,24.5 K11#3.1 ; v1(20.1,77.1) 20.2,77.2 21.17,77.2 R7#7.1 ; K11#2.1 121,136.9 122.6,135.3 v1(122.6,129.5) ; v1(106.3,83.7) 109.25,83.7 ; v1(29.9,139.9) 32.85,139.9 ; v1(58.3,133.3) 58.4,133.4 59.38,133.4 R7#6.1 ; v1(20.1,20.9) 20.2,21 21.17,21 R7#14.1 ; U1#5.4 133.15,129.75 v1(133.5,129.4) 133.8,129.1 133.8,126.7 133.5,126.4 v1(131,126.4) ; v1(68.1,27.5) 71.05,27.5 ; v1(182.7,83.7) 185.65,83.7 ; v1(84.4,73.3) 84.4,79.1 82.8,80.7 K11#4.1 ; v1(131,14) 133.5,14 133.8,14.3 133.8,16.7 v1(133.5,17) 133.15,17.35 U1#4.4 ; v1(169.2,14) 171.7,14 172,14.3 172,16.7 v1(171.7,17) 171.35,17.35 U1#13.4 ; v1(29.9,27.5) 32.85,27.5 ; U1#8.4 18.55,129.75 v1(18.9,129.4) 19.2,129.1 19.2,126.7 18.9,126.4 v1(16.4,126.4) ; v1(8,73.3) 8,79.1 6.4,80.7 K11#7.1 ; v1(182.7,139.9) 185.65,139.9 ; R7#8.1 97.57,77.2 96.6,77.2 v1(96.5,77.1) ; v1(68.1,139.9) 71.05,139.9 ; v1(58.3,77.1) 58.4,77.2 59.38,77.2 R7#3.1 ; v1(29.9,83.7) 32.85,83.7 ; v1(160.8,17.1) 160.8,22.9 159.2,24.5 K11#13.1 ; v1(144.5,139.9) 147.45,139.9 ; U1#12.4 56.75,73.55 v1(57.1,73.2) 57.4,72.9 57.4,70.5 57.1,70.2 v1(54.6,70.2) ; R7#13.1 173.98,21 173,21 v1(172.9,20.9) ; v1(96.5,20.9) 96.6,21 97.57,21 R7#11.1 ; U1.4 94.95,73.55 v1(95.3,73.2) 95.6,72.9 95.6,70.5 95.3,70.2 v1(92.8,70.2) ; v1(8,129.5) 8,135.3 6.4,136.9 K11#5.1 ; v1(144.5,27.5) 147.45,27.5 ; v1(144.5,83.7) 147.45,83.7 ; v1(160.8,73.3) 160.8,79.1 159.2,80.7 K11#8.1 ; v1(160.8,129.5) 160.8,135.3 159.2,136.9 K11#15.1 ; v1(68.1,83.7) 71.05,83.7 ; v1(106.3,27.5) 109.25,27.5